# KiCad board 8851_HW-U1-VCU118_REV2-0_071417.kicad_pcb (continued)
## Routing (per net, layer and track width the routed paths; a pad name or vN(x,y) marks a point on that pad's centre or on a via; arc(x,y) is an arc through that point) (continued)
RLD3_C3_72B_DQ5: length 141.8
  TOP w0.15: 100.13,79.08 v2(99.64,79.57) ; U141.B9 v2(94.71,120.4)
  20_SIG7 w0.087: 93.14,121.52 93.14,121.03 93.29,120.89 93.93,120.89 94.42,120.4 v2(94.71,120.4) ; 114.16,87.89 113.91,87.65 113.91,86.26 113.63,85.97 113.22,85.97 112.93,85.68 112.93,85.27 112.64,84.98 112.23,84.98 111.95,84.69 111.95,84.29 111.66,84 111.25,84 110.96,83.71 110.96,83.3 110.67,83.01 110.27,83.01 109.98,82.73 109.98,82.28 109.73,82.02 109.69,82.02 109.69,82.03 109.28,82.03 108.99,81.74 108.99,81.33 108.98,81.33 108.69,81.05 108.3,81.05 108.01,80.76 108.01,75.41 107.74,75.14 107.31,75.14 107.02,74.85 107.02,74.43 106.75,74.16 106.33,74.16 106.04,73.87 106.04,73.44 105.84,73.24 105.82,73.24 105.75,73.17 103.38,73.17 103.09,73.46 103.09,73.87 102.8,74.16 102.39,74.16 102.1,74.44 102.1,74.85 101.81,75.14 100.42,75.14 100.13,75.43 100.13,75.84 99.85,76.12 99.44,76.12 99.15,76.41 99.15,76.82 98.86,77.11 98.45,77.11 98.17,77.4 98.17,77.8 98.17,79.77 98.45,80.06 99.15,80.06 v2(99.64,79.57)
  20_SIG7 w0.138: 114.16,87.89 115.74,89.47 118.61,89.47 123.23,94.09 123.23,106.37 122.5,107.1 122.5,108.08 122.3,108.28 122.3,122.17 120.83,123.64 120.83,126.15 116.46,130.52 115.43,130.52 109.67,136.28 108.46,136.28 108.08,136.65 107.12,136.65 106.99,136.79 106.99,137.16 106.85,137.3 106.44,137.3 106.3,137.16 106.3,136.79 106.16,136.65 105.75,136.65 105.61,136.79 105.61,137.16 105.47,137.3 105.06,137.3 104.92,137.16 104.92,136.79 104.79,136.65 104.37,136.65 104.24,136.79 104.24,137.16 104.1,137.3 103.69,137.3 103.55,137.16 103.55,136.79 103.41,136.65 103,136.65 102.86,136.79 102.86,137.16 102.72,137.3 102.31,137.3 102.17,137.16 102.17,136.79 102.04,136.65 101.62,136.65 101.49,136.79 101.49,137.16 101.35,137.3 100.94,137.3 100.8,137.16 100.8,136.79 100.66,136.65 100.12,136.65 99.98,136.52 99.98,136.11 99.82,135.94 99.43,135.94 99.29,136.08 99.29,136.52 99.15,136.65 98.74,136.65 98.6,136.52 98.6,135.96 98.47,135.82 98.05,135.82 97.92,135.96 97.92,136.52 97.78,136.65 94.13,136.65 93.04,135.56 93.04,130.82 90.2,127.98 90.2,126.39 91.05,125.54 92.25,125.54 94.59,123.2 94.59,122.51 94.39,122.31 93.45,122.31 93.14,122.01 93.14,121.52
RLD3_C3_72B_DQ6: length 141
  TOP w0.15: U141.B11 v2(96.68,120.4) ; 103.09,78.09 v2(102.6,78.59)
  20_SIG7 w0.087: 111.37,88.03 110.96,87.62 110.96,86.26 110.67,85.97 110.27,85.97 109.98,85.68 109.98,85.24 109.72,84.98 109.28,84.98 108.99,84.69 108.99,84.29 108.7,84 108.22,84 108.01,83.78 108.01,83.3 107.72,83.01 107.26,83.01 107.02,82.77 107.02,82.32 106.74,82.03 106.31,82.03 106.04,81.77 106.04,81.33 105.75,81.05 105.34,81.05 105.06,80.76 105.06,76.3 104.88,76.12 103.38,76.12 103.09,76.41 103.09,76.82 102.8,77.11 102.39,77.11 102.1,77.4 102.1,78.38 102.31,78.59 v2(102.6,78.59) ; v2(96.68,120.4) 96.68,120.6 97.17,121.09 97.17,121.97 97.3,122.1 97.95,122.1 98.16,121.89 98.16,121.11 98.38,120.89 98.85,120.89 99.14,121.18 99.14,121.66 99.02,121.78
  20_SIG7 w0.138: 99.02,121.78 98.88,121.92 98.88,122.53 99.58,123.22 99.58,125.33 99.19,125.71 98.4,125.71 97.8,126.32 97.8,128.26 97.66,128.4 95.71,128.4 95.58,128.53 95.58,128.95 95.71,129.08 97.78,129.08 97.91,129.22 97.91,129.63 97.78,129.77 95.71,129.77 95.58,129.91 95.58,130.32 95.71,130.46 97.78,130.46 97.91,130.6 97.91,131.01 97.78,131.15 95.71,131.15 95.58,131.28 95.58,131.7 95.71,131.83 97.78,131.83 97.91,131.97 97.91,132.48 97.28,133.11 97.08,133.11 96.43,132.46 96.23,132.46 95.94,132.75 95.94,132.95 96.59,133.6 96.59,133.79 96.29,134.1 95.56,134.1 95.41,133.95 95.41,133.24 95.19,133.02 94.86,133.02 94.73,133.15 94.73,134.59 94.9,134.76 96.62,134.76 98.73,132.65 109.28,132.65 113.37,128.55 115.54,128.55 116.01,128.09 116.01,127.77 115.65,127.4 115.65,127.1 115.87,126.88 116.22,126.88 116.56,127.22 116.88,127.22 117.1,126.99 117.1,126.67 116.74,126.31 116.74,125.94 116.96,125.71 117.23,125.71 117.77,126.25 118.05,126.25 118.72,125.58 118.72,125.24 118.56,125.07 118.38,125.07 118.1,125.35 117.9,125.35 117.6,125.05 117.6,124.82 118.3,124.12 118.38,124.12 118.61,123.89 118.61,123.09 120.33,121.37 120.33,117.42 119.78,116.88 119.78,110.23 120.25,109.76 120.25,104.83 119.9,104.48 119.9,103.43 120.4,102.92 121.05,102.92 121.38,102.6 121.38,101.57 120.9,101.09 120.9,100.8 121.33,100.37 121.33,99.89 121.1,99.67 120.93,99.67 120.67,99.42 120.67,99.03 120.81,98.89 121.1,98.89 121.33,98.67 121.33,95.05 117.54,91.26 114.6,91.26 111.37,88.03
RLD3_C3_72B_DQ7: length 141.6
  TOP w0.15: v2(101.61,78.59) 102.1,78.09 ; U141.A8 v2(93.73,121.38)
  20_SIG7 w0.087: v2(101.61,78.59) 101.32,78.59 100.83,79.08 100.42,79.08 100.13,78.79 100.13,77.4 100.42,77.11 101.81,77.11 102.1,76.82 102.1,76.41 102.39,76.12 102.8,76.12 103.09,75.84 103.09,75.43 103.38,75.14 105.75,75.14 106.04,75.43 106.04,75.48 106.04,80.76 106.33,81.05 106.74,81.05 107.02,81.33 107.02,81.75 107.3,82.03 107.72,82.03 108.01,82.32 108.01,82.73 108.3,83.01 108.7,83.01 108.99,83.3 108.99,83.71 109.28,84 109.69,84 109.98,84.29 109.98,84.69 110.27,84.98 110.74,84.98 110.96,85.21 110.96,85.68 111.25,85.97 111.66,85.97 111.95,86.26 111.95,87.67 112.25,87.98 ; v2(93.73,121.38) 93.96,121.38 94.45,120.89 96.03,120.89 96.19,121.05 96.19,121.72
  20_SIG7 w0.138: 112.25,87.98 114.81,90.53 117.79,90.53 121.96,94.7 121.96,102.8 121.36,103.4 121.36,105.31 121.18,105.49 120.81,105.86 120.81,110.12 120.42,110.52 120.42,112.1 120.64,112.32 120.82,112.32 121.05,112.55 121.05,112.87 120.82,113.1 120.64,113.1 120.42,113.32 120.42,113.97 120.64,114.2 120.67,114.2 120.9,114.42 120.9,114.74 120.67,114.97 120.64,114.97 120.42,115.2 120.42,116.37 121.02,116.98 121.02,121.58 119.29,123.31 119.29,125.79 115.88,129.2 113.72,129.2 109.75,133.18 109.34,133.18 109.2,133.31 109.2,133.84 109.06,133.97 108.65,133.97 108.51,133.84 108.51,133.31 108.37,133.18 107.96,133.18 107.82,133.31 107.82,133.84 107.69,133.97 107.27,133.97 107.14,133.84 107.14,133.31 107,133.18 106.59,133.18 106.45,133.31 106.45,133.84 106.31,133.97 105.9,133.97 105.76,133.84 105.76,133.31 105.62,133.18 105.21,133.18 105.07,133.31 105.07,133.84 104.94,133.97 104.52,133.97 104.39,133.84 104.39,133.31 104.25,133.18 103.84,133.18 103.7,133.31 103.7,133.84 103.56,133.97 103.15,133.97 103.01,133.84 103.01,133.31 102.87,133.18 102.46,133.18 102.32,133.31 102.32,133.84 102.19,133.97 101.77,133.97 101.64,133.84 101.64,133.31 101.5,133.18 101.09,133.18 100.95,133.31 100.95,133.84 100.81,133.97 100.4,133.97 100.26,133.84 100.26,133.31 100.12,133.18 98.97,133.18 96.79,135.36 94.45,135.36 94.15,135.06 94.15,132.89 94.88,132.16 94.88,127.83 95.22,127.49 95.22,126.45 95.96,125.71 96.41,125.71 96.55,125.58 96.55,123.2 96.68,123.07 97.1,123.07 97.23,123.2 97.23,125.58 97.37,125.71 97.57,125.71 98.1,125.18 98.8,125.18 98.99,124.99 98.99,124.72 98.85,124.58 98.3,124.58 98.17,124.44 98.17,124.03 98.3,123.89 98.85,123.89 98.99,123.76 98.99,123.43 98.11,122.54 96.61,122.54 96.19,122.12 96.19,121.72
RLD3_C3_72B_DQ8: length 141
  TOP w0.15: 99.15,79.08 v2(98.66,79.57) ; U141.A10 v2(95.7,121.38)
  20_SIG7 w0.087: 113.11,87.91 112.93,87.73 112.93,86.26 112.64,85.97 112.23,85.97 111.95,85.68 111.95,85.21 111.72,84.98 111.25,84.98 110.96,84.69 110.96,84.29 110.67,84 110.27,84 109.98,83.71 109.98,83.26 109.73,83.01 109.28,83.01 108.99,82.73 108.99,82.32 108.97,82.3 108.71,82.03 108.28,82.03 108.01,81.76 108.01,81.3 107.75,81.05 107.3,81.05 107.05,80.8 107.05,80.78 107.02,80.76 107.02,75.43 107.02,75.39 106.78,75.14 106.33,75.14 106.04,74.85 106.04,74.44 105.75,74.16 103.38,74.16 103.09,74.44 103.09,74.85 102.8,75.14 102.39,75.14 102.1,75.43 102.1,75.84 101.81,76.12 100.42,76.12 100.13,76.41 100.13,76.82 99.85,77.11 99.44,77.11 99.15,77.4 99.15,77.8 99.15,79.08 v2(98.66,79.57)
  20_SIG7 w0.138: 113.11,87.91 115.08,89.88 118.09,89.88 122.59,94.38 122.59,105.26 122.06,105.8 121.77,105.8 121.45,106.12 121.45,109.41 121.71,109.67 121.71,121.82 120.1,123.42 120.1,125.91 116.18,129.83 113.98,129.83 113.63,130.17 113.63,130.37 114.13,130.87 114.13,131.07 113.84,131.36 113.65,131.36 113.15,130.86 112.95,130.86 112.66,131.15 112.66,131.34 113.16,131.84 113.16,132.04 112.87,132.33 112.68,132.33 112.17,131.83 111.98,131.83 111.69,132.12 111.69,132.31 112.19,132.82 112.19,133.01 111.9,133.3 111.7,133.3 111.2,132.8 111.01,132.8 110.71,133.09 110.71,133.29 111.22,133.79 111.22,133.98 110.93,134.27 110.73,134.27 110.23,133.77 110.03,133.77 109.21,134.6 108.31,134.6 108.17,134.74 108.17,135.6 108.03,135.74 107.62,135.74 107.48,135.6 107.48,134.74 107.35,134.6 106.93,134.6 106.8,134.74 106.8,135.6 106.66,135.74 106.25,135.74 106.11,135.6 106.11,134.74 105.97,134.6 105.56,134.6 105.42,134.74 105.42,135.6 105.28,135.74 104.87,135.74 104.73,135.6 104.73,134.74 104.6,134.6 104.18,134.6 104.05,134.74 104.05,135.6 103.91,135.74 103.5,135.74 103.36,135.6 103.36,134.74 103.22,134.6 102.81,134.6 102.67,134.74 102.67,135.6 102.53,135.74 102.12,135.74 101.98,135.6 101.98,134.74 101.85,134.6 101.43,134.6 101.3,134.74 101.3,135.6 101.16,135.74 100.75,135.74 100.61,135.6 100.61,134.74 100.47,134.6 98.43,134.6 96.94,136.09 94.42,136.09 93.61,135.28 93.61,128.98 92.75,128.12 92.75,125.8 95.7,122.85 v2(95.7,121.38)
RLD3_C3_72B_DQ9: length 145.4
  TOP w0.15: U141.J10 v2(95.7,112.52) ; v2(101.61,76.62) 102.1,76.12
  18_SIG6 w0.087: 86.29,122.64 86.29,122.53 86.56,122.26 88.11,122.26 88.49,121.88 89.02,121.88 89.3,121.6 89.3,121.18 89.59,120.89 91.03,120.89 91.27,120.65 91.27,120.17 91.53,119.9 91.97,119.9 92.97,118.9 93.93,118.9 94.22,118.61 94.22,114.73 95.2,113.75 95.2,113.02 v2(95.7,112.52) ; 112.34,89.52 112.34,89.08 111.95,88.69 111.95,82.29 111.69,82.03 111.26,82.03 111.25,82.03 110.96,81.74 110.96,81.74 110.96,81.31 110.69,81.05 109.33,81.05 109.33,81.05 109.28,81.05 108.99,80.76 108.99,80.71 108.99,80.39 108.99,80.35 108.7,80.06 108.67,80.06 108.67,80.06 108.3,80.06 108.01,79.77 108.01,79.77 108.01,79.37 107.72,79.08 107.35,79.08 107.35,79.08 107.31,79.08 107.02,78.79 107.02,78.4 107.02,78.4 107.02,78.38 106.74,78.09 106.32,78.09 106.04,77.81 106.04,77.4 105.75,77.11 105.33,77.11 105.06,76.84 105.06,76.41 104.77,76.12 102.1,76.12 v2(101.61,76.62)
  18_SIG6 w0.138: 112.34,89.52 112.34,100.28 112.95,100.9 113.21,100.9 113.85,101.54 113.85,105.02 113.59,105.29 113.59,108.51 114.66,109.59 114.66,110.25 113.9,111.01 113.9,121.08 105.08,129.91 105.08,130.86 101.48,134.46 100.07,134.46 99.38,135.15 99.38,135.7 96.67,138.41 94.62,138.41 92.29,140.74 75.92,140.74 74.45,139.27 74.45,134.68 79.5,129.62 80.6,129.62 81.78,128.45 81.78,126.25 82.99,125.03 84.19,125.03 86.29,122.94 86.29,122.64
RLD3_C3_72B_DQ10: length 145.8
  TOP w0.15: v2(100.63,76.62) 101.12,76.12 ; U141.K11 v2(96.68,111.54)
  18_SIG6 w0.087: v2(96.68,111.54) 96.68,111.72 96.19,112.21 96.19,113.84 95.19,114.84 95.19,118.63 94.9,118.92 94.45,118.92 94.24,119.14 94.24,119.6 93.94,119.9 93.05,119.9 92.06,120.89 91.54,120.89 91.27,121.16 91.27,121.69 90.93,122.03 89.39,122.03 89.25,122.17 88.81,122.17 88.34,122.64 ; v2(100.63,76.62) 100.84,76.62 101.33,77.11 104.77,77.11 105.06,77.4 105.06,77.46 105.06,77.46 105.06,77.8 105.35,78.09 105.75,78.09 106.04,78.38 106.04,78.76 106.04,78.79 106.33,79.08 106.74,79.08 107.02,79.37 107.02,79.77 107.31,80.06 107.37,80.06 107.65,80.06 107.65,80.06 107.72,80.06 108.01,80.35 108.01,80.76 108.3,81.05 108.6,81.05 108.7,81.05 108.99,81.34 108.99,81.77 109.25,82.03 110.68,82.03 110.96,82.32 110.96,88.16 111.27,88.47 111.27,89.52
  18_SIG6 w0.138: 88.34,122.64 85.41,125.58 84.25,125.58 83.45,126.38 83.45,128.03 80.65,130.83 79.03,130.83 77.78,132.08 77.78,134.18 77.91,134.31 79.01,134.31 79.15,134.45 79.15,134.73 79.01,134.87 77.91,134.87 77.78,135 77.78,135.28 77.91,135.41 79.01,135.41 79.15,135.55 79.15,135.83 79.01,135.97 77.91,135.97 77.78,136.1 77.78,139.33 78.68,140.23 92.08,140.23 94.41,137.89 95.45,137.89 99.99,133.36 100.9,133.36 112.51,121.74 112.51,111.35 113.26,110.6 113.26,109.17 112.95,108.86 112.95,103.35 112.32,102.72 112.32,101.06 112,100.73 111.27,100.73 111.04,100.51 111.04,99.73 111.18,99.59 111.58,99.59 111.72,99.45 111.72,99.04 111.58,98.9 111.18,98.9 111.04,98.77 111.04,98.35 111.18,98.22 111.58,98.22 111.72,98.08 111.72,97.67 111.58,97.53 111.18,97.53 111.04,97.39 111.04,96.09 111.27,95.87 111.27,89.52
RLD3_C3_72B_DQ11: length 144.3
  TOP w0.15: v2(101.61,77.6) 102.1,77.11 ; U141.K13 v2(98.65,111.54)
  18_SIG6 w0.087: 91.35,122.64 91.35,122.54 92.99,120.89 95.02,120.89 95.22,120.69 95.22,120.2 95.5,119.92 95.91,119.92 96.19,119.63 96.19,114.48 96.54,114.13 97.01,114.13 97.18,113.96 97.18,112.31 97.45,112.03 98.16,112.03 v2(98.65,111.54) ; 110.3,89.52 110.3,88.62 109.98,88.3 109.98,83.18 109.81,83.01 109.24,83.01 108.99,82.77 108.99,82.28 108.75,82.03 108.26,82.03 108.01,81.78 108.01,81.29 107.76,81.05 107.24,81.05 107.02,80.83 107.02,80.27 106.82,80.06 106.25,80.06 106.04,79.85 106.04,79.25 105.86,79.08 105.25,79.08 105.06,78.88 105.06,78.37 104.78,78.09 102.34,78.09 101.85,77.6 v2(101.61,77.6)
  18_SIG6 w0.138: 91.35,122.64 91.35,123.22 90.99,123.58 88.6,123.58 86.55,125.62 86.55,128.62 86.15,129.03 83.42,129.03 81.85,130.6 81.85,135.18 81.28,135.75 81.28,136.75 81.14,136.89 78.86,136.89 78.72,137.03 78.72,137.3 78.86,137.44 81.14,137.44 81.28,137.58 81.28,137.85 81.14,137.99 78.86,137.99 78.72,138.13 78.72,138.4 78.86,138.54 81.14,138.54 81.28,138.68 81.28,139.08 81.91,139.71 91.86,139.71 94.19,137.38 95.24,137.38 99.77,132.85 100.68,132.85 111.94,121.59 111.94,107.11 111.58,106.75 111.58,105.53 110.97,104.91 110.97,104.69 111.19,104.46 111.73,104.46 111.96,104.23 111.96,103.91 111.74,103.69 111.19,103.69 110.97,103.46 110.97,102.05 109.58,100.66 109.58,99.56 109.72,99.42 110.36,99.42 110.5,99.28 110.5,98.87 110.36,98.73 109.72,98.73 109.58,98.6 109.58,96.9 110.3,96.18 110.3,89.52
RLD3_C3_72B_DQ12: length 143.3
  TOP w0.15: v2(100.63,78.59) 101.12,78.09 ; U141.L8 v2(93.73,110.55)
  18_SIG6 w0.087: 107.57,89.52 107.57,89.42 107.09,88.94 107.09,88.75 107.24,88.6 107.58,88.6 107.72,88.45 107.72,88.24 107.58,88.09 107.18,88.09 107.02,87.94 107.02,83.21 106.83,83.01 106.28,83.01 106.04,82.77 106.04,82.28 105.79,82.03 105.3,82.03 105.06,81.79 105.06,81.33 104.77,81.05 102.36,81.05 102.1,80.79 102.1,80.26 101.9,80.06 101.35,80.06 101.12,79.83 101.12,79.29 100.91,79.08 100.3,79.08 100.13,78.91 100.13,78.51 100.22,78.42 100.47,78.42 v2(100.63,78.59) ; 96.53,122.64 96.85,122.64 97.49,122.01 98.75,122.01 99.58,121.18 99.58,120.1 99.14,119.66 99.14,114.72 99.11,114.68 99.11,114.29 99.4,113.99 99.88,113.99 100.5,113.38 100.5,110.73 99.84,110.06 99.42,110.06 99.14,109.79 99.14,109.34 98.88,109.08 98.38,109.08 98.14,109.31 98.14,109.77 97.85,110.06 96.69,110.06 94.22,110.06 v2(93.73,110.55)
  18_SIG6 w0.138: 96.53,122.64 95.99,122.64 93.1,125.52 91,125.52 90.22,126.3 90.22,128.75 90.35,128.88 91.85,128.88 92.17,129.2 92.17,129.43 91.99,129.61 89.36,129.61 88.97,130 88.97,130.96 88.84,131.1 87.44,131.1 87.3,131.24 87.3,131.51 87.44,131.65 88.84,131.65 88.97,131.79 88.97,132.06 88.84,132.2 87.44,132.2 87.3,132.34 87.3,132.61 87.44,132.75 88.84,132.75 88.97,132.89 88.97,133.16 88.84,133.3 87.44,133.3 87.3,133.44 87.3,133.71 87.44,133.85 88.84,133.85 88.97,133.99 88.97,134.26 88.84,134.4 87.44,134.4 87.3,134.54 87.3,134.81 87.44,134.95 88.84,134.95 88.97,135.09 88.97,135.33 89.49,135.84 90.06,135.84 90.19,135.98 90.19,136.59 90.33,136.72 90.61,136.72 90.74,136.59 90.74,135.98 90.88,135.84 91.16,135.84 91.29,135.98 91.29,136.59 91.43,136.72 91.71,136.72 91.84,136.59 91.84,135.98 91.98,135.84 94.6,135.84 101.24,129.21 102.15,129.21 110.04,121.31 110.04,117.44 110.04,108.34 107.76,106.06 107.76,102.18 106.93,101.35 106.53,101.35 106.23,101.05 105.45,101.05 104.77,100.37 104.77,97.63 105.35,97.04 105.82,97.04 106.24,96.62 106.24,96.36 107.57,95.03 107.57,89.52
RLD3_C3_72B_DQ13: length 145.1
  TOP w0.15: U141.L10 v2(95.7,110.55) ; v2(100.63,75.63) 101.12,75.14
  18_SIG6 w0.087: v2(95.7,110.55) 96.19,111.05 98.85,111.05 99.14,111.34 99.14,112.74 98.87,113.02 98.47,113.02 98.15,113.33 98.15,113.72 97.17,114.7 97.17,120.67 96.95,120.89 95.49,120.89 95.21,121.17 95.21,121.59 94.92,121.87 94,121.87 93.45,122.43 92.33,122.43 92.12,122.64 ; 109.07,89.52 109.07,88.12 108.99,88.05 108.99,83.24 108.76,83.01 108.24,83.01 108.01,82.79 108.01,82.27 107.77,82.03 107.25,82.03 107.02,81.8 107.02,81.32 106.75,81.05 106.24,81.05 106.04,80.85 106.04,80.3 105.8,80.06 105.28,80.06 105.06,79.84 105.06,79.33 104.81,79.08 102.35,79.08 102.1,78.83 102.1,78.38 101.82,78.09 101.39,78.09 101.12,77.82 101.12,77.4 100.83,77.11 100.42,77.11 100.13,76.82 100.13,76.36 100.63,75.87 v2(100.63,75.63)
  18_SIG6 w0.138: 109.07,89.52 109.07,100.87 110.31,102.12 110.31,106.71 111.31,107.7 111.31,116.91 111.31,121.5 100.62,132.18 99.71,132.18 95.03,136.87 93.48,136.87 92.45,137.9 91.7,137.9 91.56,138.04 91.56,138.66 91.42,138.8 91.15,138.8 91.01,138.66 91.01,138.04 90.87,137.9 90.6,137.9 90.46,138.04 90.46,138.66 90.32,138.8 90.05,138.8 89.91,138.66 89.91,138.04 89.77,137.9 89.5,137.9 89.36,138.04 89.36,138.66 89.22,138.8 88.95,138.8 88.81,138.66 88.81,138.04 88.67,137.9 88.4,137.9 88.26,138.04 88.26,138.66 88.12,138.8 87.85,138.8 87.71,138.66 87.71,138.04 87.57,137.9 87.3,137.9 87.16,138.04 87.16,138.66 87.02,138.8 86.75,138.8 86.61,138.66 86.61,138.04 86.47,137.9 86.2,137.9 86.06,138.04 86.06,138.66 85.92,138.8 85.65,138.8 85.51,138.66 85.51,138.04 85.37,137.9 85.1,137.9 84.96,138.04 84.96,138.66 84.82,138.8 84.55,138.8 84.41,138.66 84.41,138.04 84.27,137.9 84,137.9 83.86,138.04 83.86,138.66 83.72,138.8 83.45,138.8 83.31,138.66 83.31,138.04 83.17,137.9 82.22,137.9 81.9,137.58 81.9,136.03 83.25,134.68 83.25,131.72 84.3,130.68 86.1,130.68 87.17,129.6 87.17,126.05 89.14,124.09 91.21,124.09 91.86,123.43 91.86,122.9 92.12,122.64
RLD3_C3_72B_DQ14: length 144.3
  TOP w0.15: v2(99.64,76.62) 100.13,76.12 ; U141.L12 v2(97.67,110.56)
  18_SIG6 w0.087: 108.39,89.52 108.39,88.04 108.01,87.66 108.01,83.29 107.73,83.01 107.26,83.01 107.02,82.78 107.02,82.31 106.74,82.03 106.32,82.03 106.04,81.76 106.04,81.31 105.77,81.05 105.31,81.05 105.06,80.79 105.06,80.34 104.78,80.06 102.32,80.06 102.1,79.85 102.1,79.32 101.86,79.08 101.37,79.08 101.12,78.83 101.12,78.32 100.89,78.09 100.42,78.09 100.13,77.81 100.13,77.4 99.64,76.91 v2(99.64,76.62) ; v2(97.67,110.56) 97.85,110.56 98.34,110.06 98.86,110.06 99.16,110.36 99.16,110.79 99.41,111.04 99.81,111.04 100.13,111.36 100.13,112.73 99.84,113.02 99.4,113.02 99.14,113.27 99.14,113.75 98.81,114.09 98.7,114.09 98.16,114.62 98.16,119.69 98.37,119.9 98.87,119.9 99.21,120.24 99.21,120.67 98.99,120.89 97.49,120.89 97.19,121.18 97.19,121.59 96.71,122.06 95.81,122.06 95.23,122.64
  18_SIG6 w0.138: 95.23,122.64 93.09,124.78 89.37,124.78 87.72,126.42 87.72,129.85 86.7,130.88 86.7,134.58 86.47,134.8 83.92,134.8 83.72,135 83.72,135.56 83.86,135.7 88.46,135.7 88.6,135.84 88.6,136.39 88.46,136.53 83.78,136.53 83.53,136.78 83.53,137.23 83.67,137.38 92.1,137.38 93.12,136.36 94.81,136.36 99.5,131.67 100.41,131.67 110.67,121.41 110.67,117.18 110.67,108.08 110.3,107.71 108.63,106.03 108.63,105.26 109.07,104.82 109.44,104.82 109.67,104.59 109.67,104.27 109.44,104.05 109.07,104.05 108.84,103.82 108.84,103.5 109.07,103.27 109.44,103.27 109.67,103.05 109.67,102.73 109.44,102.5 109.07,102.5 107.29,100.72 106.79,100.72 106.39,100.31 106.39,97.48 106.8,97.06 107.26,97.06 108.39,95.94 108.39,89.52
RLD3_C3_72B_DQ15: length 142.6
  TOP w0.15: U141.M9 v2(94.71,109.57) ; v2(98.66,76.62) 99.15,76.12
  18_SIG6 w0.087: 100.5,108.75 100.5,108.72 99.85,108.08 99.44,108.08 99.16,107.8 99.16,107.36 98.91,107.11 98.23,107.11 98.12,107.22 98.12,107.86 97.88,108.1 96.45,108.1 96.19,108.36 96.19,108.82 95.92,109.09 95.46,109.09 95.21,108.84 95.21,108.15 95.08,108.02 94.58,108.02 94.22,108.38 94.22,109.08 v2(94.71,109.57) ; 106.25,89.52 106.25,89.24 105.06,88.05 105.06,83.27 104.8,83.01 102.29,83.01 102.1,82.83 102.1,82.28 101.86,82.03 101.37,82.03 101.12,81.78 101.12,81.28 100.89,81.05 100.39,81.05 100.13,80.79 100.13,80.31 99.89,80.06 99.38,80.06 99.15,79.83 99.15,79.3 98.92,79.08 98.42,79.08 98.17,78.83 98.17,77.34 98.66,76.85 v2(98.66,76.62)
  18_SIG6 w0.138: 100.5,108.75 101.75,110 101.75,110.86 101.87,110.99 102.52,110.99 102.91,111.38 102.91,111.84 102.3,112.45 102.3,115.2 101.67,115.83 100.8,115.83 100.59,116.04 100.59,121.99 100.4,122.18 100.4,122.54 98.68,124.26 97.1,124.26 95.31,126.05 95.31,127.94 94.9,128.35 93.72,128.35 93.4,128.68 93.4,129.17 93.54,129.3 94.99,129.3 95.12,129.44 95.12,129.72 94.99,129.85 93.54,129.85 93.4,129.99 93.4,130.27 93.54,130.4 94.99,130.4 95.12,130.54 95.12,130.82 94.99,130.95 93.54,130.95 93.4,131.09 93.4,131.37 93.54,131.5 94.99,131.5 95.12,131.64 95.12,131.92 94.99,132.05 93.54,132.05 93.4,132.19 93.4,134.4 93.75,134.75 94.2,134.75 97.82,131.13 97.82,130.01 97.96,129.88 98.76,129.88 98.9,129.74 98.9,129.46 98.76,129.33 97.96,129.33 97.82,129.19 97.82,128.91 97.96,128.78 99.86,128.78 100.03,128.61 100.03,128.36 99.89,128.23 97.96,128.23 97.82,128.09 97.82,126.14 98.77,125.19 103.31,125.19 104.45,124.05 104.45,123.58 105.47,122.55 106.17,122.55 108.78,119.95 108.78,109.14 106.39,106.75 106.39,104.24 104.02,101.86 103.72,101.86 102.8,100.95 102.11,100.95 101.71,100.56 101.71,99.74 101.45,99.49 101.19,99.49 100.94,99.23 100.94,98.71 101.19,98.46 101.45,98.46 101.71,98.2 101.71,96.28 102.52,95.47 104.34,95.47 106.25,93.55 106.25,89.52
RLD3_C3_72B_DQ16: length 142.7
  TOP w0.15: U141.M11 v2(96.68,109.57) ; v2(98.66,77.6) 99.15,77.11
  18_SIG6 w0.087: v2(96.68,109.57) 97.16,109.09 97.89,109.09 98.17,108.81 98.17,108.4 98.45,108.11 98.45,108.11 98.85,108.11 99.13,108.39 99.13,108.8 99.41,109.08 99.82,109.08 100.5,109.76 ; v2(98.66,77.6) 98.43,77.83 98.43,77.97 98.55,78.09 98.97,78.09 99.15,78.27 99.15,78.83 99.39,79.08 99.89,79.08 100.13,79.32 100.13,79.86 100.34,80.06 100.88,80.06 101.12,80.3 101.12,80.77 101.4,81.05 101.83,81.05 102.1,81.32 102.1,81.78 102.36,82.03 104.78,82.03 105.06,82.31 105.06,82.77 105.3,83.01 105.84,83.01 106.04,83.21 106.04,88.52 106.91,89.39 106.91,89.52 ; 97.9,122.6 97.86,122.64
  18_SIG6 w0.138: 100.5,109.76 100.91,110.17 100.91,113.6 100.15,114.36 100.15,114.55 100.26,114.66 100.9,114.66 101.05,114.81 101.05,115.02 100.9,115.17 100.3,115.17 100.15,115.31 100.15,121.38 98.92,122.6 97.9,122.6 ; 97.86,122.64 94.58,125.92 93.42,125.92 92.7,126.65 92.7,130.02 92.56,130.15 89.64,130.15 89.5,130.29 89.5,130.57 89.64,130.7 92.56,130.7 92.7,130.84 92.7,131.12 92.56,131.25 89.64,131.25 89.5,131.39 89.5,131.67 89.64,131.8 92.56,131.8 92.7,131.94 92.7,132.15 92.42,132.43 91.43,132.43 91.29,132.56 91.29,133.8 91.41,133.93 91.8,133.93 92,134.12 92,134.47 91.75,134.72 90.88,134.72 90.74,134.59 90.74,132.56 90.6,132.43 90.33,132.43 89.97,132.78 89.97,135.12 90.18,135.33 94.39,135.33 101.03,128.69 101.93,128.69 109.41,121.21 109.41,108.81 107.08,106.49 107.08,103.8 106.32,103.04 106.32,102.17 105.84,101.69 105.15,101.69 104.2,100.73 103.56,100.73 103.24,100.42 103.24,99.74 103.09,99.59 102.49,99.59 102.26,99.35 102.26,98.62 102.44,98.43 102.97,98.43 103.17,98.23 103.17,97.58 103.44,97.32 103.44,97 103.1,96.66 103.1,96.34 103.33,96.11 103.65,96.11 103.98,96.45 104.3,96.45 105.48,95.27 105.71,95.27 105.97,95.54 106.16,95.54 106.5,95.2 106.5,94.97 106.26,94.73 106.26,94.49 106.91,93.84 106.91,89.52
